# Altium PCB MiniSystem-Pcb-All.PcbDoc (part 1 of 8)
Units mil, origin at the board's own origin, x right, y up, seen from the top; angles counter-clockwise.
Board outline 1732.28 x 669.29 mil, 2 copper layers (Top Layer, Bottom Layer); 690 components, 49 nets, 1630 pads, 330 vias.
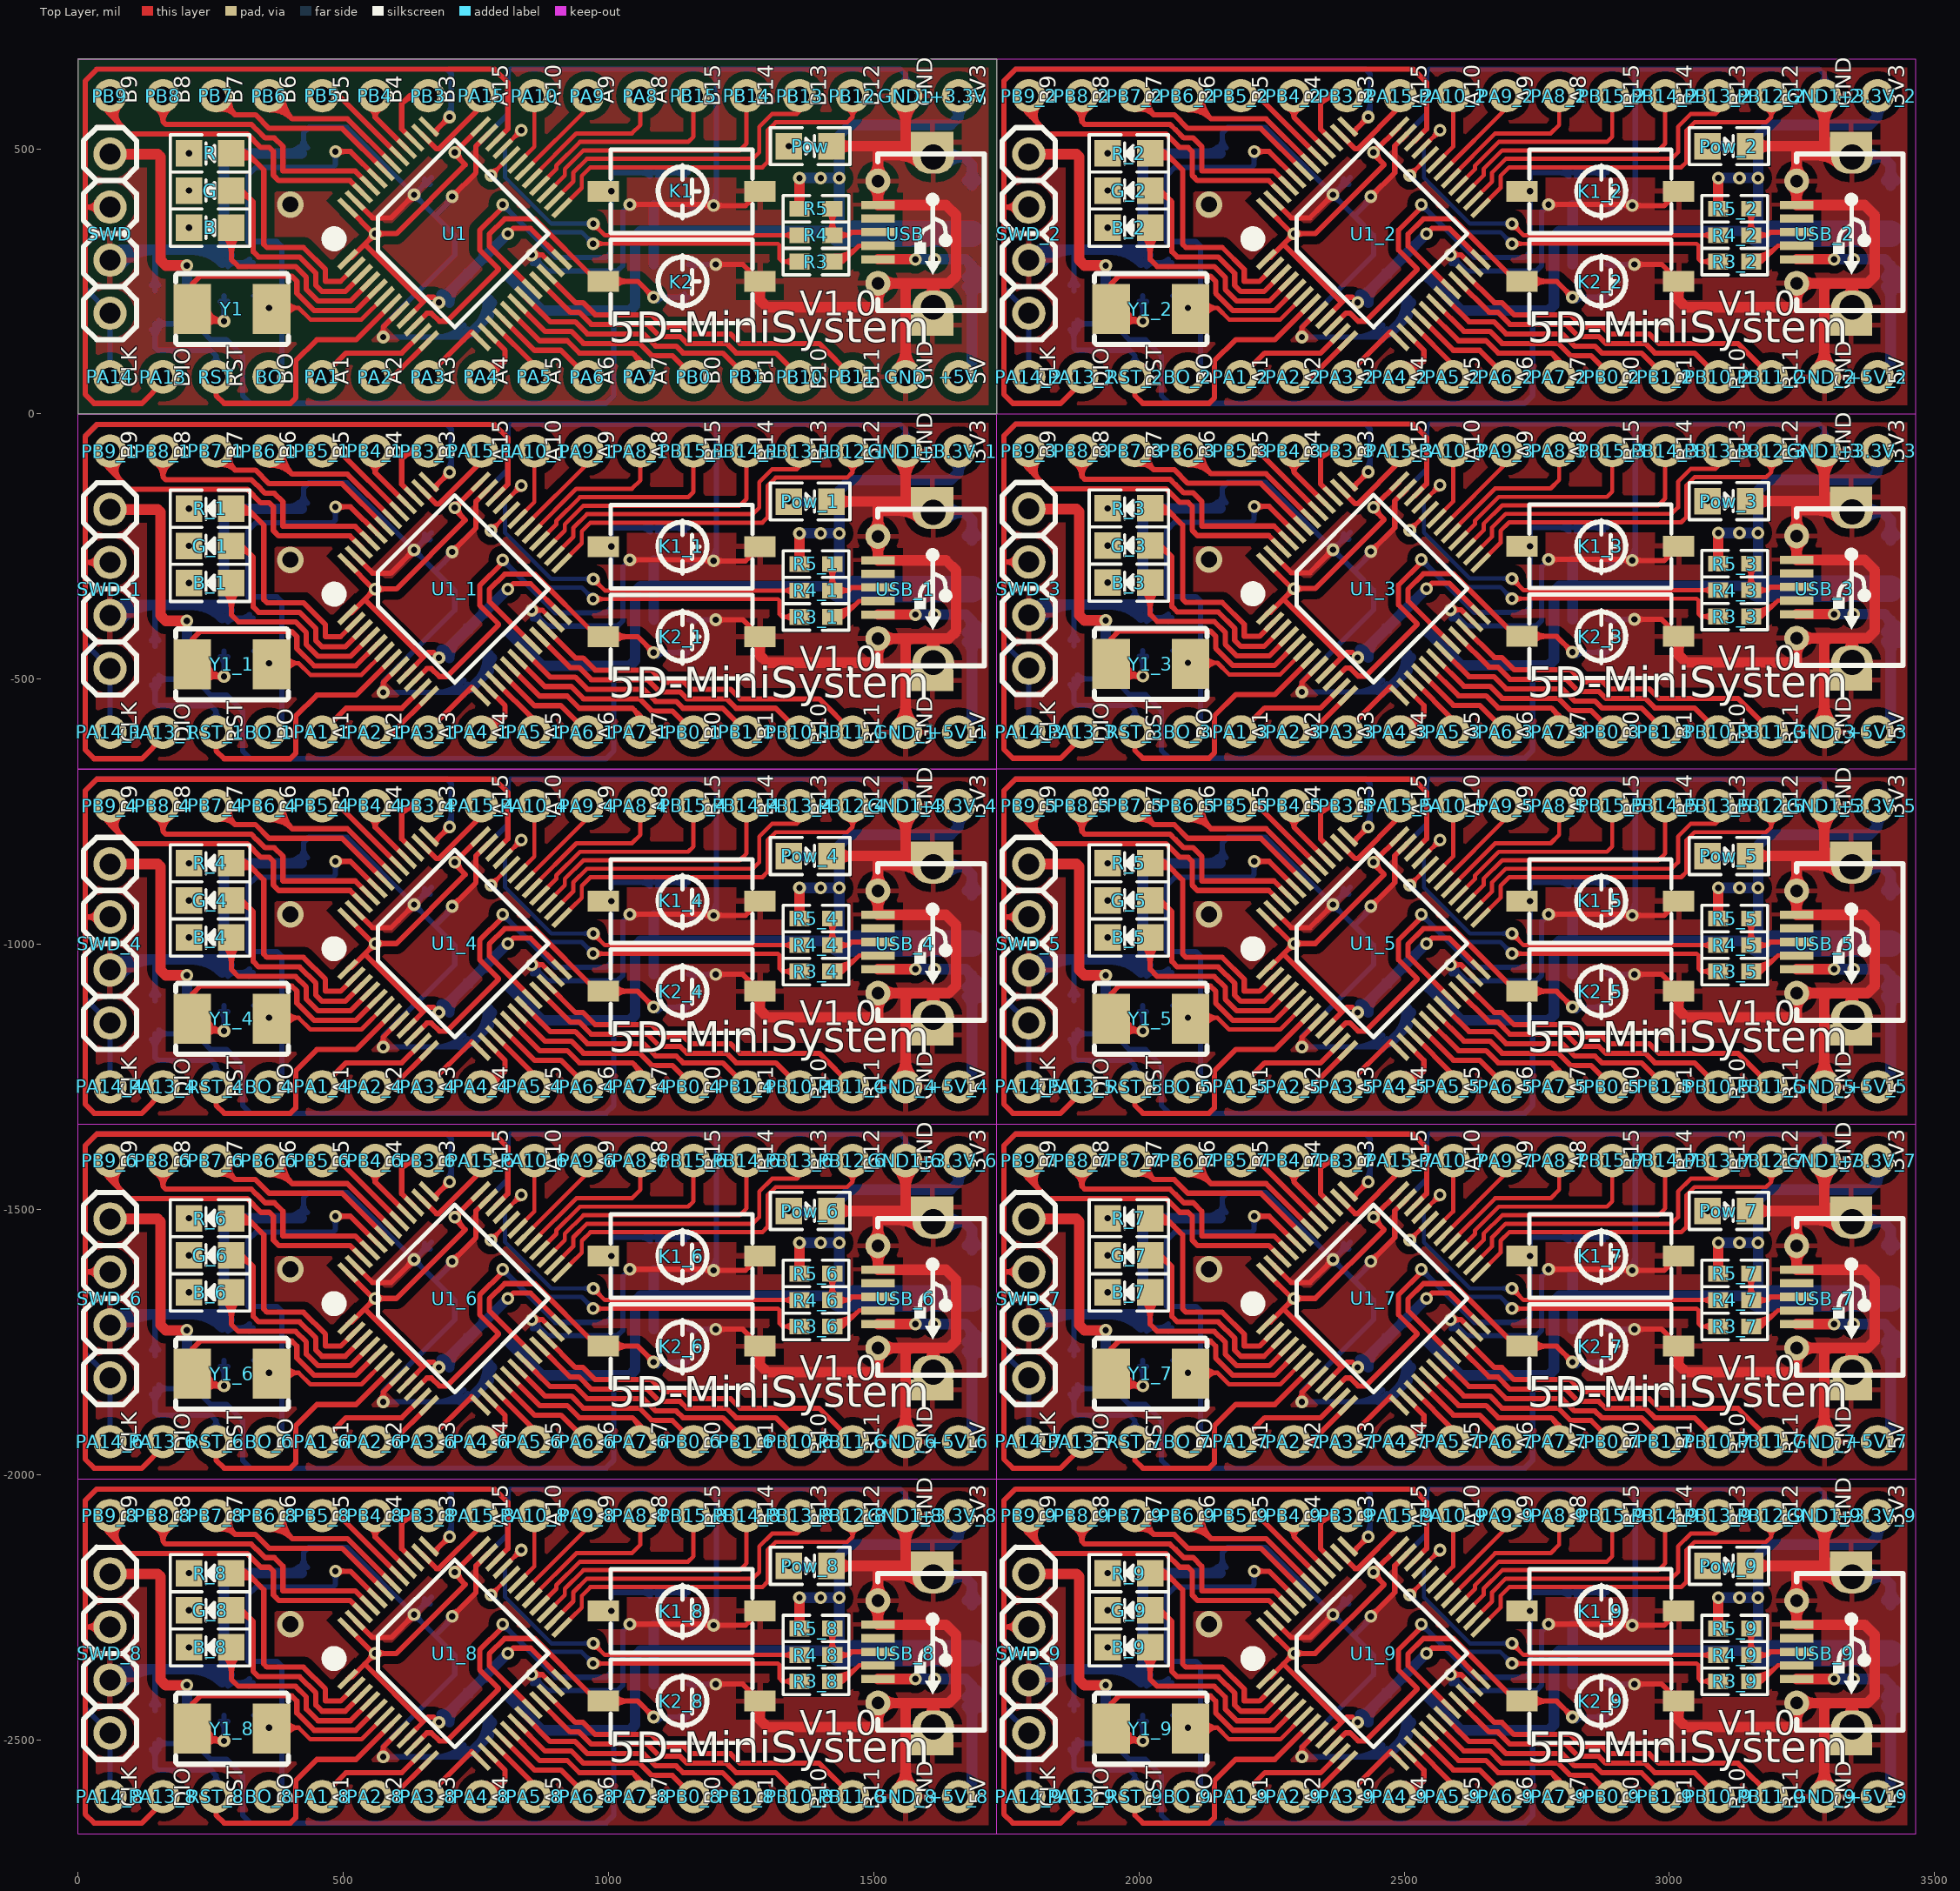
[diagram p0: Top Layer view]
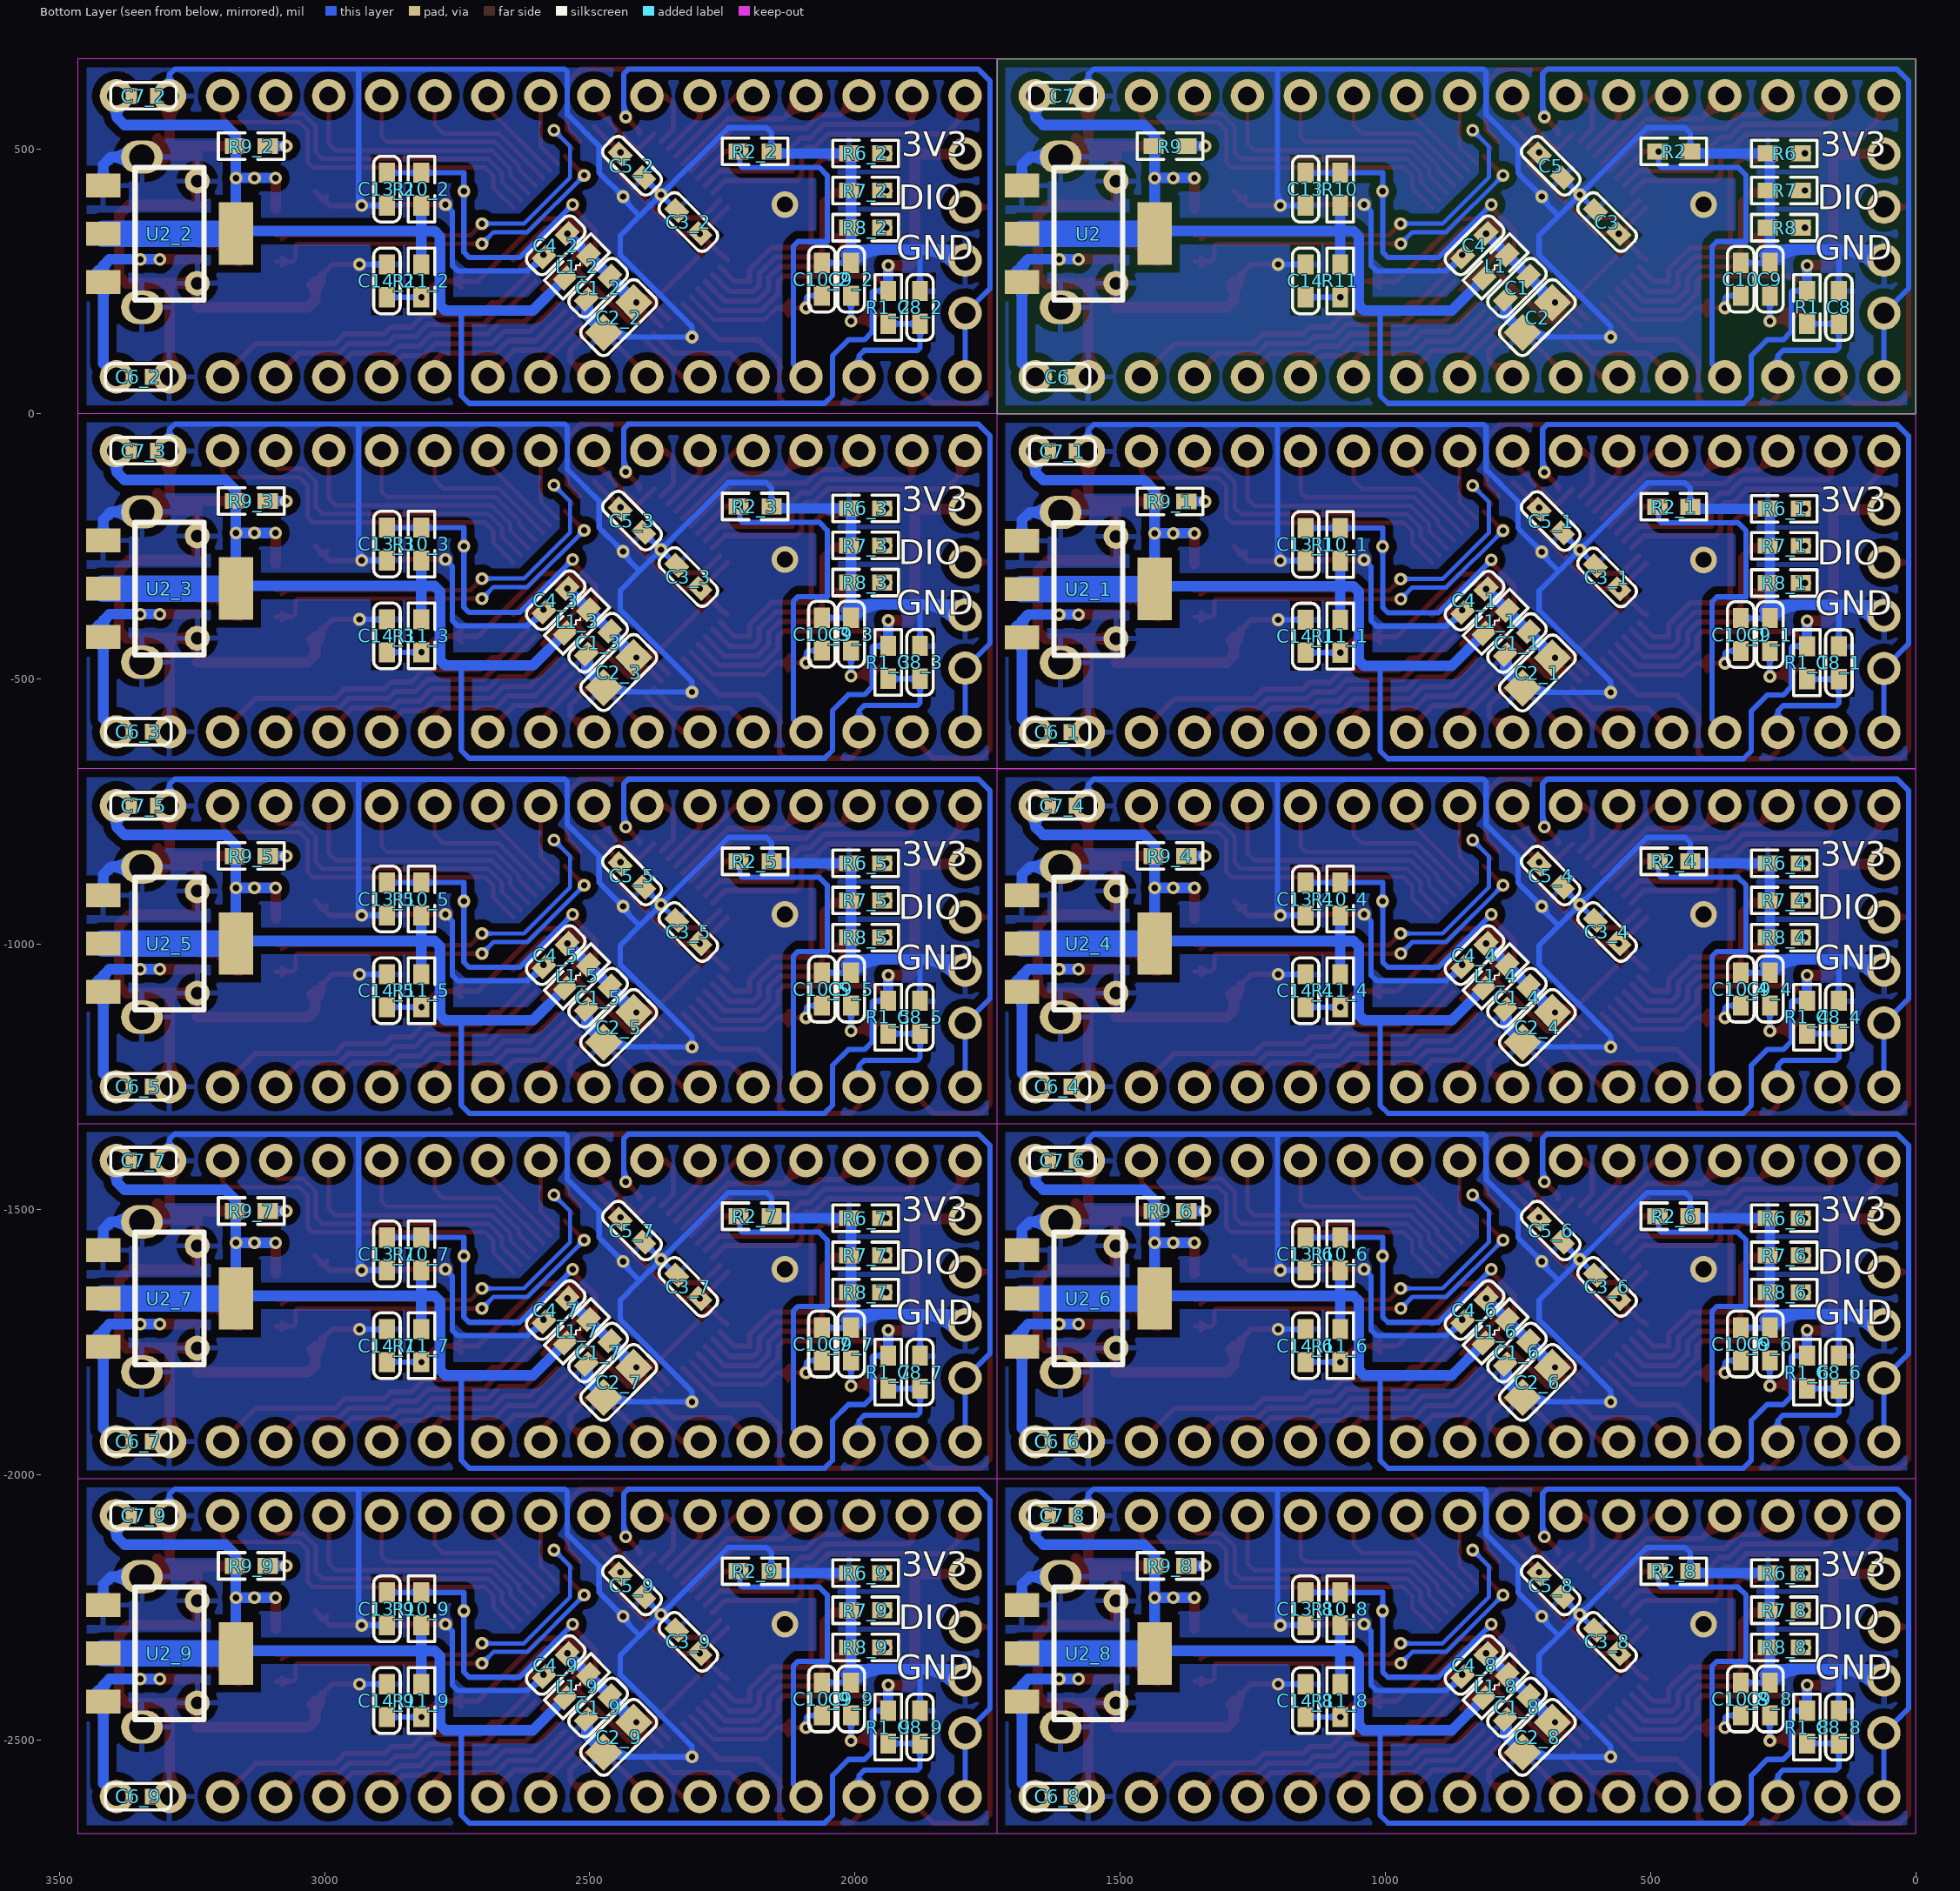
[diagram p1: Bottom Layer view, seen from below]

## Layer stack, top to bottom
Top Layer: signal copper 1.4
Dielectric: dielectric 12.6, FR-4, Dk 4.8
Bottom Layer: signal copper 1.4

## Board outline
0,0 1732.28,0 1732.28,669.29 0,669.29

## Design rules (kind name [scope] priority, off if disabled: settings)
Clearance "InPolygon TO InPolygon" [IsRegion vs InPolygon] p1: gap=30
Clearance Clearance_InPolygon [InPolygon] p2: gap=15
Clearance Clearance_IsKeepOut [IsKeepOut] p3: gap=7
Clearance Clearance_IsPad [IsPad] p4: gap=7
Clearance Clearance_IsVia [IsVia] p5: gap=7
Clearance [All] p6: gap=8
ComponentClearance [All] p1 off: gap=10 collisioncheckmode=3 verticalgap=10 showdistances=FALSE
HoleSize [All] p1: absolutevalues=TRUE maxlimit=200 minlimit=6 maxpercent=80.000 minpercent=20.000
HoleToHoleClearance [All] p1 off: gap=10 allowstackedmicrovias=TRUE
MinimumSolderMaskSliver [All] p1 off: minsoldermaskwidth=10
PlaneClearance [All] p1: clearance=12
PlaneConnect PlaneConnect_IsVia [IsVia] p1: planeconnectstyle=Direct reliefexpansion=20 reliefentries=4 reliefconductorwidth=10 reliefairgap=10
PlaneConnect [All] p2: planeconnectstyle=Relief reliefexpansion=20 reliefentries=4 reliefconductorwidth=10 reliefairgap=10
PolygonConnect PolygonConnect_IsThruPin [IsThruPin] p1: connectstyle=Relief reliefconductorwidth=10 reliefentries=4 polygonreliefangle="90 Angle"
PolygonConnect PolygonConnect_IsSMTPin [IsSMTPin] p2: connectstyle=Relief reliefconductorwidth=10 reliefentries=4 polygonreliefangle="90 Angle"
PolygonConnect PolygonConnect_IsVia [IsVia] p3: connectstyle=Direct reliefconductorwidth=10 reliefentries=4 polygonreliefangle="90 Angle"
RoutingVias [All] p1: holewidth=12 width=24 viastyle="Through Hole" minholewidth=12 minwidth=24 maxholewidth=200 maxwidth=500
SilkToSilkClearance [All] p1 off: silktosilkclearance=10
SilkscreenOverComponentPads [All] p1 off: minsilkscreentomaskgap=10
SolderMaskExpansion [All] p1: expansion=4
Width [All] p1: maxlimit=500 minlimit=6 preferedwidth=10
20 further rules are at their usual default settings.

## Classes and differential pairs
component class MiniSystem-Sch: +3.3V +5V B BO C1 C2 C3 C4 C5 C6 C7 C8 C9 C10 C13 C14 G GND GND1 K1 K2 L1 PA1 PA2 PA3 PA4 PA5 PA6 PA7 PA8 PA9 PA10 PA13 PA14 PA15 PB0 PB1 PB3 PB4 PB5 PB6 PB7 PB8 PB9 PB10 PB11 PB12 PB13 PB14 PB15 Pow R R1 R2 R3 R4 R5 R6 R7 R8 R9 R10 R11 RST SWD U1 U2 USB Y1

## Components (designator, comment, footprint, x,y, rotation, side; value= is the part's Value field where it differs from the comment)
+3.3V "" TP 1660,600 r90 top
+3.3V_1 "" TP 1660,-70 r90 top (schematic designator +3.3V)
+3.3V_2 "" TP 3392.28,600 r90 top (schematic designator +3.3V)
+3.3V_3 "" TP 3392.28,-69.29 r90 top (schematic designator +3.3V)
+3.3V_4 "" TP 1660,-738.58 r90 top (schematic designator +3.3V)
+3.3V_5 "" TP 3392.28,-738.58 r90 top (schematic designator +3.3V)
+3.3V_6 "" TP 1660,-1407.87 r90 top (schematic designator +3.3V)
+3.3V_7 "" TP 3392.28,-1407.87 r90 top (schematic designator +3.3V)
+3.3V_8 "" TP 1660,-2077.17 r90 top (schematic designator +3.3V)
+3.3V_9 "" TP 3392.28,-2077.17 r90 top (schematic designator +3.3V)
+5V "" TP 1660,70 r0 top
+5V_1 "" TP 1660,-600 r0 top (schematic designator +5V)
+5V_2 "" TP 3392.28,70 r0 top (schematic designator +5V)
+5V_3 "" TP 3392.28,-599.29 r0 top (schematic designator +5V)
+5V_4 "" TP 1660,-1268.58 r0 top (schematic designator +5V)
+5V_5 "" TP 3392.28,-1268.58 r0 top (schematic designator +5V)
+5V_6 "" TP 1660,-1937.87 r0 top (schematic designator +5V)
+5V_7 "" TP 3392.28,-1937.87 r0 top (schematic designator +5V)
+5V_8 "" TP 1660,-2607.17 r0 top (schematic designator +5V)
+5V_9 "" TP 3392.28,-2607.17 r0 top (schematic designator +5V)
B "LED" LED0805 288.78,351.3 r180 top
B_1 "LED" LED0805 288.78,-318.7 r180 top (schematic designator B)
B_2 "LED" LED0805 2021.06,351.3 r180 top (schematic designator B)
B_3 "LED" LED0805 2021.06,-317.99 r180 top (schematic designator B)
B_4 "LED" LED0805 288.78,-987.28 r180 top (schematic designator B)
B_5 "LED" LED0805 2021.06,-987.28 r180 top (schematic designator B)
B_6 "LED" LED0805 288.78,-1656.57 r180 top (schematic designator B)
B_7 "LED" LED0805 2021.06,-1656.57 r180 top (schematic designator B)
B_8 "LED" LED0805 288.78,-2325.87 r180 top (schematic designator B)
B_9 "LED" LED0805 2021.06,-2325.87 r180 top (schematic designator B)
BO "" TP 360,70 r0 top
BO_1 "" TP 360,-600 r0 top (schematic designator BO)
BO_2 "" TP 2092.28,70 r0 top (schematic designator BO)
BO_3 "" TP 2092.28,-599.29 r0 top (schematic designator BO)
BO_4 "" TP 360,-1268.58 r0 top (schematic designator BO)
BO_5 "" TP 2092.28,-1268.58 r0 top (schematic designator BO)
BO_6 "" TP 360,-1937.87 r0 top (schematic designator BO)
BO_7 "" TP 2092.28,-1937.87 r0 top (schematic designator BO)
BO_8 "" TP 360,-2607.17 r0 top (schematic designator BO)
BO_9 "" TP 2092.28,-2607.17 r0 top (schematic designator BO)
C1 "104" C0603 730,260 r315 bottom
C1_1 "104" C0603 730,-410 r315 bottom (schematic designator C1)
C1_2 "104" C0603 2462.28,260 r315 bottom (schematic designator C1)
C1_3 "104" C0603 2462.28,-409.29 r315 bottom (schematic designator C1)
C1_4 "104" C0603 730,-1078.58 r315 bottom (schematic designator C1)
C1_5 "104" C0603 2462.28,-1078.58 r315 bottom (schematic designator C1)
C1_6 "104" C0603 730,-1747.87 r315 bottom (schematic designator C1)
C1_7 "104" C0603 2462.28,-1747.87 r315 bottom (schematic designator C1)
C1_8 "104" C0603 730,-2417.17 r315 bottom (schematic designator C1)
C1_9 "104" C0603 2462.28,-2417.17 r315 bottom (schematic designator C1)
C2 "106" C0805 685,210 r315 bottom
C2_1 "106" C0805 685,-460 r315 bottom (schematic designator C2)
C2_2 "106" C0805 2417.28,210 r315 bottom (schematic designator C2)
C2_3 "106" C0805 2417.28,-459.29 r315 bottom (schematic designator C2)
C2_4 "106" C0805 685,-1128.58 r315 bottom (schematic designator C2)
C2_5 "106" C0805 2417.28,-1128.58 r315 bottom (schematic designator C2)
C2_6 "106" C0805 685,-1797.87 r315 bottom (schematic designator C2)
C2_7 "106" C0805 2417.28,-1797.87 r315 bottom (schematic designator C2)
C2_8 "106" C0805 685,-2467.17 r315 bottom (schematic designator C2)
C2_9 "106" C0805 2417.28,-2467.17 r315 bottom (schematic designator C2)
C3 "104" C0603 560,340 r45 bottom
C3_1 "104" C0603 560,-330 r45 bottom (schematic designator C3)
C3_2 "104" C0603 2292.28,340 r45 bottom (schematic designator C3)
C3_3 "104" C0603 2292.28,-329.29 r45 bottom (schematic designator C3)
C3_4 "104" C0603 560,-998.58 r45 bottom (schematic designator C3)
C3_5 "104" C0603 2292.28,-998.58 r45 bottom (schematic designator C3)
C3_6 "104" C0603 560,-1667.87 r45 bottom (schematic designator C3)
C3_7 "104" C0603 2292.28,-1667.87 r45 bottom (schematic designator C3)
C3_8 "104" C0603 560,-2337.17 r45 bottom (schematic designator C3)
C3_9 "104" C0603 2292.28,-2337.17 r45 bottom (schematic designator C3)
C4 "104" C0603 810,340 r315 bottom
C4_1 "104" C0603 810,-330 r315 bottom (schematic designator C4)
C4_2 "104" C0603 2542.28,340 r315 bottom (schematic designator C4)
C4_3 "104" C0603 2542.28,-329.29 r315 bottom (schematic designator C4)
C4_4 "104" C0603 810,-998.58 r315 bottom (schematic designator C4)
C4_5 "104" C0603 2542.28,-998.58 r315 bottom (schematic designator C4)
C4_6 "104" C0603 810,-1667.87 r315 bottom (schematic designator C4)
C4_7 "104" C0603 2542.28,-1667.87 r315 bottom (schematic designator C4)
C4_8 "104" C0603 810,-2337.17 r315 bottom (schematic designator C4)
C4_9 "104" C0603 2542.28,-2337.17 r315 bottom (schematic designator C4)
C5 "104" C0603 710,490 r225 bottom
C5_1 "104" C0603 710,-180 r225 bottom (schematic designator C5)
C5_2 "104" C0603 2442.28,490 r225 bottom (schematic designator C5)
C5_3 "104" C0603 2442.28,-179.29 r225 bottom (schematic designator C5)
C5_4 "104" C0603 710,-848.58 r225 bottom (schematic designator C5)
C5_5 "104" C0603 2442.28,-848.58 r225 bottom (schematic designator C5)
C5_6 "104" C0603 710,-1517.87 r225 bottom (schematic designator C5)
C5_7 "104" C0603 2442.28,-1517.87 r225 bottom (schematic designator C5)
C5_8 "104" C0603 710,-2187.17 r225 bottom (schematic designator C5)
C5_9 "104" C0603 2442.28,-2187.17 r225 bottom (schematic designator C5)
C6 "104" C0603 1650,70 r180 bottom
C6_1 "104" C0603 1650,-600 r180 bottom (schematic designator C6)
C6_2 "104" C0603 3382.28,70 r180 bottom (schematic designator C6)
C6_3 "104" C0603 3382.28,-599.29 r180 bottom (schematic designator C6)
C6_4 "104" C0603 1650,-1268.58 r180 bottom (schematic designator C6)
C6_5 "104" C0603 3382.28,-1268.58 r180 bottom (schematic designator C6)
C6_6 "104" C0603 1650,-1937.87 r180 bottom (schematic designator C6)
C6_7 "104" C0603 3382.28,-1937.87 r180 bottom (schematic designator C6)
C6_8 "104" C0603 1650,-2607.17 r180 bottom (schematic designator C6)
C6_9 "104" C0603 3382.28,-2607.17 r180 bottom (schematic designator C6)
C7 "104" C0603 1640,600 r180 bottom
C7_1 "104" C0603 1640,-70 r180 bottom (schematic designator C7)
C7_2 "104" C0603 3372.28,600 r180 bottom (schematic designator C7)
C7_3 "104" C0603 3372.28,-69.29 r180 bottom (schematic designator C7)
C7_4 "104" C0603 1640,-738.58 r180 bottom (schematic designator C7)
C7_5 "104" C0603 3372.28,-738.58 r180 bottom (schematic designator C7)
C7_6 "104" C0603 1640,-1407.87 r180 bottom (schematic designator C7)
C7_7 "104" C0603 3372.28,-1407.87 r180 bottom (schematic designator C7)
C7_8 "104" C0603 1640,-2077.17 r180 bottom (schematic designator C7)
C7_9 "104" C0603 3372.28,-2077.17 r180 bottom (schematic designator C7)
C8 "104" C0603 145,170 r90 bottom
C8_1 "104" C0603 145,-500 r90 bottom (schematic designator C8)
C8_2 "104" C0603 1877.28,170 r90 bottom (schematic designator C8)
C8_3 "104" C0603 1877.28,-499.29 r90 bottom (schematic designator C8)
C8_4 "104" C0603 145,-1168.58 r90 bottom (schematic designator C8)
C8_5 "104" C0603 1877.28,-1168.58 r90 bottom (schematic designator C8)
C8_6 "104" C0603 145,-1837.87 r90 bottom (schematic designator C8)
C8_7 "104" C0603 1877.28,-1837.87 r90 bottom (schematic designator C8)
C8_8 "104" C0603 145,-2507.17 r90 bottom (schematic designator C8)
C8_9 "104" C0603 1877.28,-2507.17 r90 bottom (schematic designator C8)
C9 "22P" C0603 275,285 r270 bottom
C9_1 "22P" C0603 275,-385 r270 bottom (schematic designator C9)
C9_2 "22P" C0603 2007.28,285 r270 bottom (schematic designator C9)
C9_3 "22P" C0603 2007.28,-384.29 r270 bottom (schematic designator C9)
C9_4 "22P" C0603 275,-1053.58 r270 bottom (schematic designator C9)
C9_5 "22P" C0603 2007.28,-1053.58 r270 bottom (schematic designator C9)
C9_6 "22P" C0603 275,-1722.87 r270 bottom (schematic designator C9)
C9_7 "22P" C0603 2007.28,-1722.87 r270 bottom (schematic designator C9)
C9_8 "22P" C0603 275,-2392.17 r270 bottom (schematic designator C9)
C9_9 "22P" C0603 2007.28,-2392.17 r270 bottom (schematic designator C9)
C10 "22P" C0603 330,285 r270 bottom
C10_1 "22P" C0603 330,-385 r270 bottom (schematic designator C10)
C10_2 "22P" C0603 2062.28,285 r270 bottom (schematic designator C10)
C10_3 "22P" C0603 2062.28,-384.29 r270 bottom (schematic designator C10)
C10_4 "22P" C0603 330,-1053.58 r270 bottom (schematic designator C10)
C10_5 "22P" C0603 2062.28,-1053.58 r270 bottom (schematic designator C10)
C10_6 "22P" C0603 330,-1722.87 r270 bottom (schematic designator C10)
C10_7 "22P" C0603 2062.28,-1722.87 r270 bottom (schematic designator C10)
C10_8 "22P" C0603 330,-2392.17 r270 bottom (schematic designator C10)
C10_9 "22P" C0603 2062.28,-2392.17 r270 bottom (schematic designator C10)
C13 "104" C0603 1150.28,393 r90 bottom
C13_1 "104" C0603 1150.28,-277 r90 bottom (schematic designator C13)
C13_2 "104" C0603 2882.56,393 r90 bottom (schematic designator C13)
C13_3 "104" C0603 2882.56,-276.29 r90 bottom (schematic designator C13)
C13_4 "104" C0603 1150.28,-945.58 r90 bottom (schematic designator C13)
C13_5 "104" C0603 2882.56,-945.58 r90 bottom (schematic designator C13)
C13_6 "104" C0603 1150.28,-1614.87 r90 bottom (schematic designator C13)
C13_7 "104" C0603 2882.56,-1614.87 r90 bottom (schematic designator C13)
C13_8 "104" C0603 1150.28,-2284.17 r90 bottom (schematic designator C13)
C13_9 "104" C0603 2882.56,-2284.17 r90 bottom (schematic designator C13)
C14 "104" C0603 1150.28,282 r270 bottom
C14_1 "104" C0603 1150.28,-388 r270 bottom (schematic designator C14)
C14_2 "104" C0603 2882.56,282 r270 bottom (schematic designator C14)
C14_3 "104" C0603 2882.56,-387.29 r270 bottom (schematic designator C14)
C14_4 "104" C0603 1150.28,-1056.58 r270 bottom (schematic designator C14)
C14_5 "104" C0603 2882.56,-1056.58 r270 bottom (schematic designator C14)
C14_6 "104" C0603 1150.28,-1725.87 r270 bottom (schematic designator C14)
C14_7 "104" C0603 2882.56,-1725.87 r270 bottom (schematic designator C14)
C14_8 "104" C0603 1150.28,-2395.17 r270 bottom (schematic designator C14)
C14_9 "104" C0603 2882.56,-2395.17 r270 bottom (schematic designator C14)
G "LED" LED0805 288.78,421.3 r180 top
G_1 "LED" LED0805 288.78,-248.7 r180 top (schematic designator G)
G_2 "LED" LED0805 2021.06,421.3 r180 top (schematic designator G)
G_3 "LED" LED0805 2021.06,-247.99 r180 top (schematic designator G)
G_4 "LED" LED0805 288.78,-917.28 r180 top (schematic designator G)
G_5 "LED" LED0805 2021.06,-917.28 r180 top (schematic designator G)
G_6 "LED" LED0805 288.78,-1586.57 r180 top (schematic designator G)
G_7 "LED" LED0805 2021.06,-1586.57 r180 top (schematic designator G)
G_8 "LED" LED0805 288.78,-2255.87 r180 top (schematic designator G)
G_9 "LED" LED0805 2021.06,-2255.87 r180 top (schematic designator G)